# KiCad board q2v2.kicad_pcb (continued)
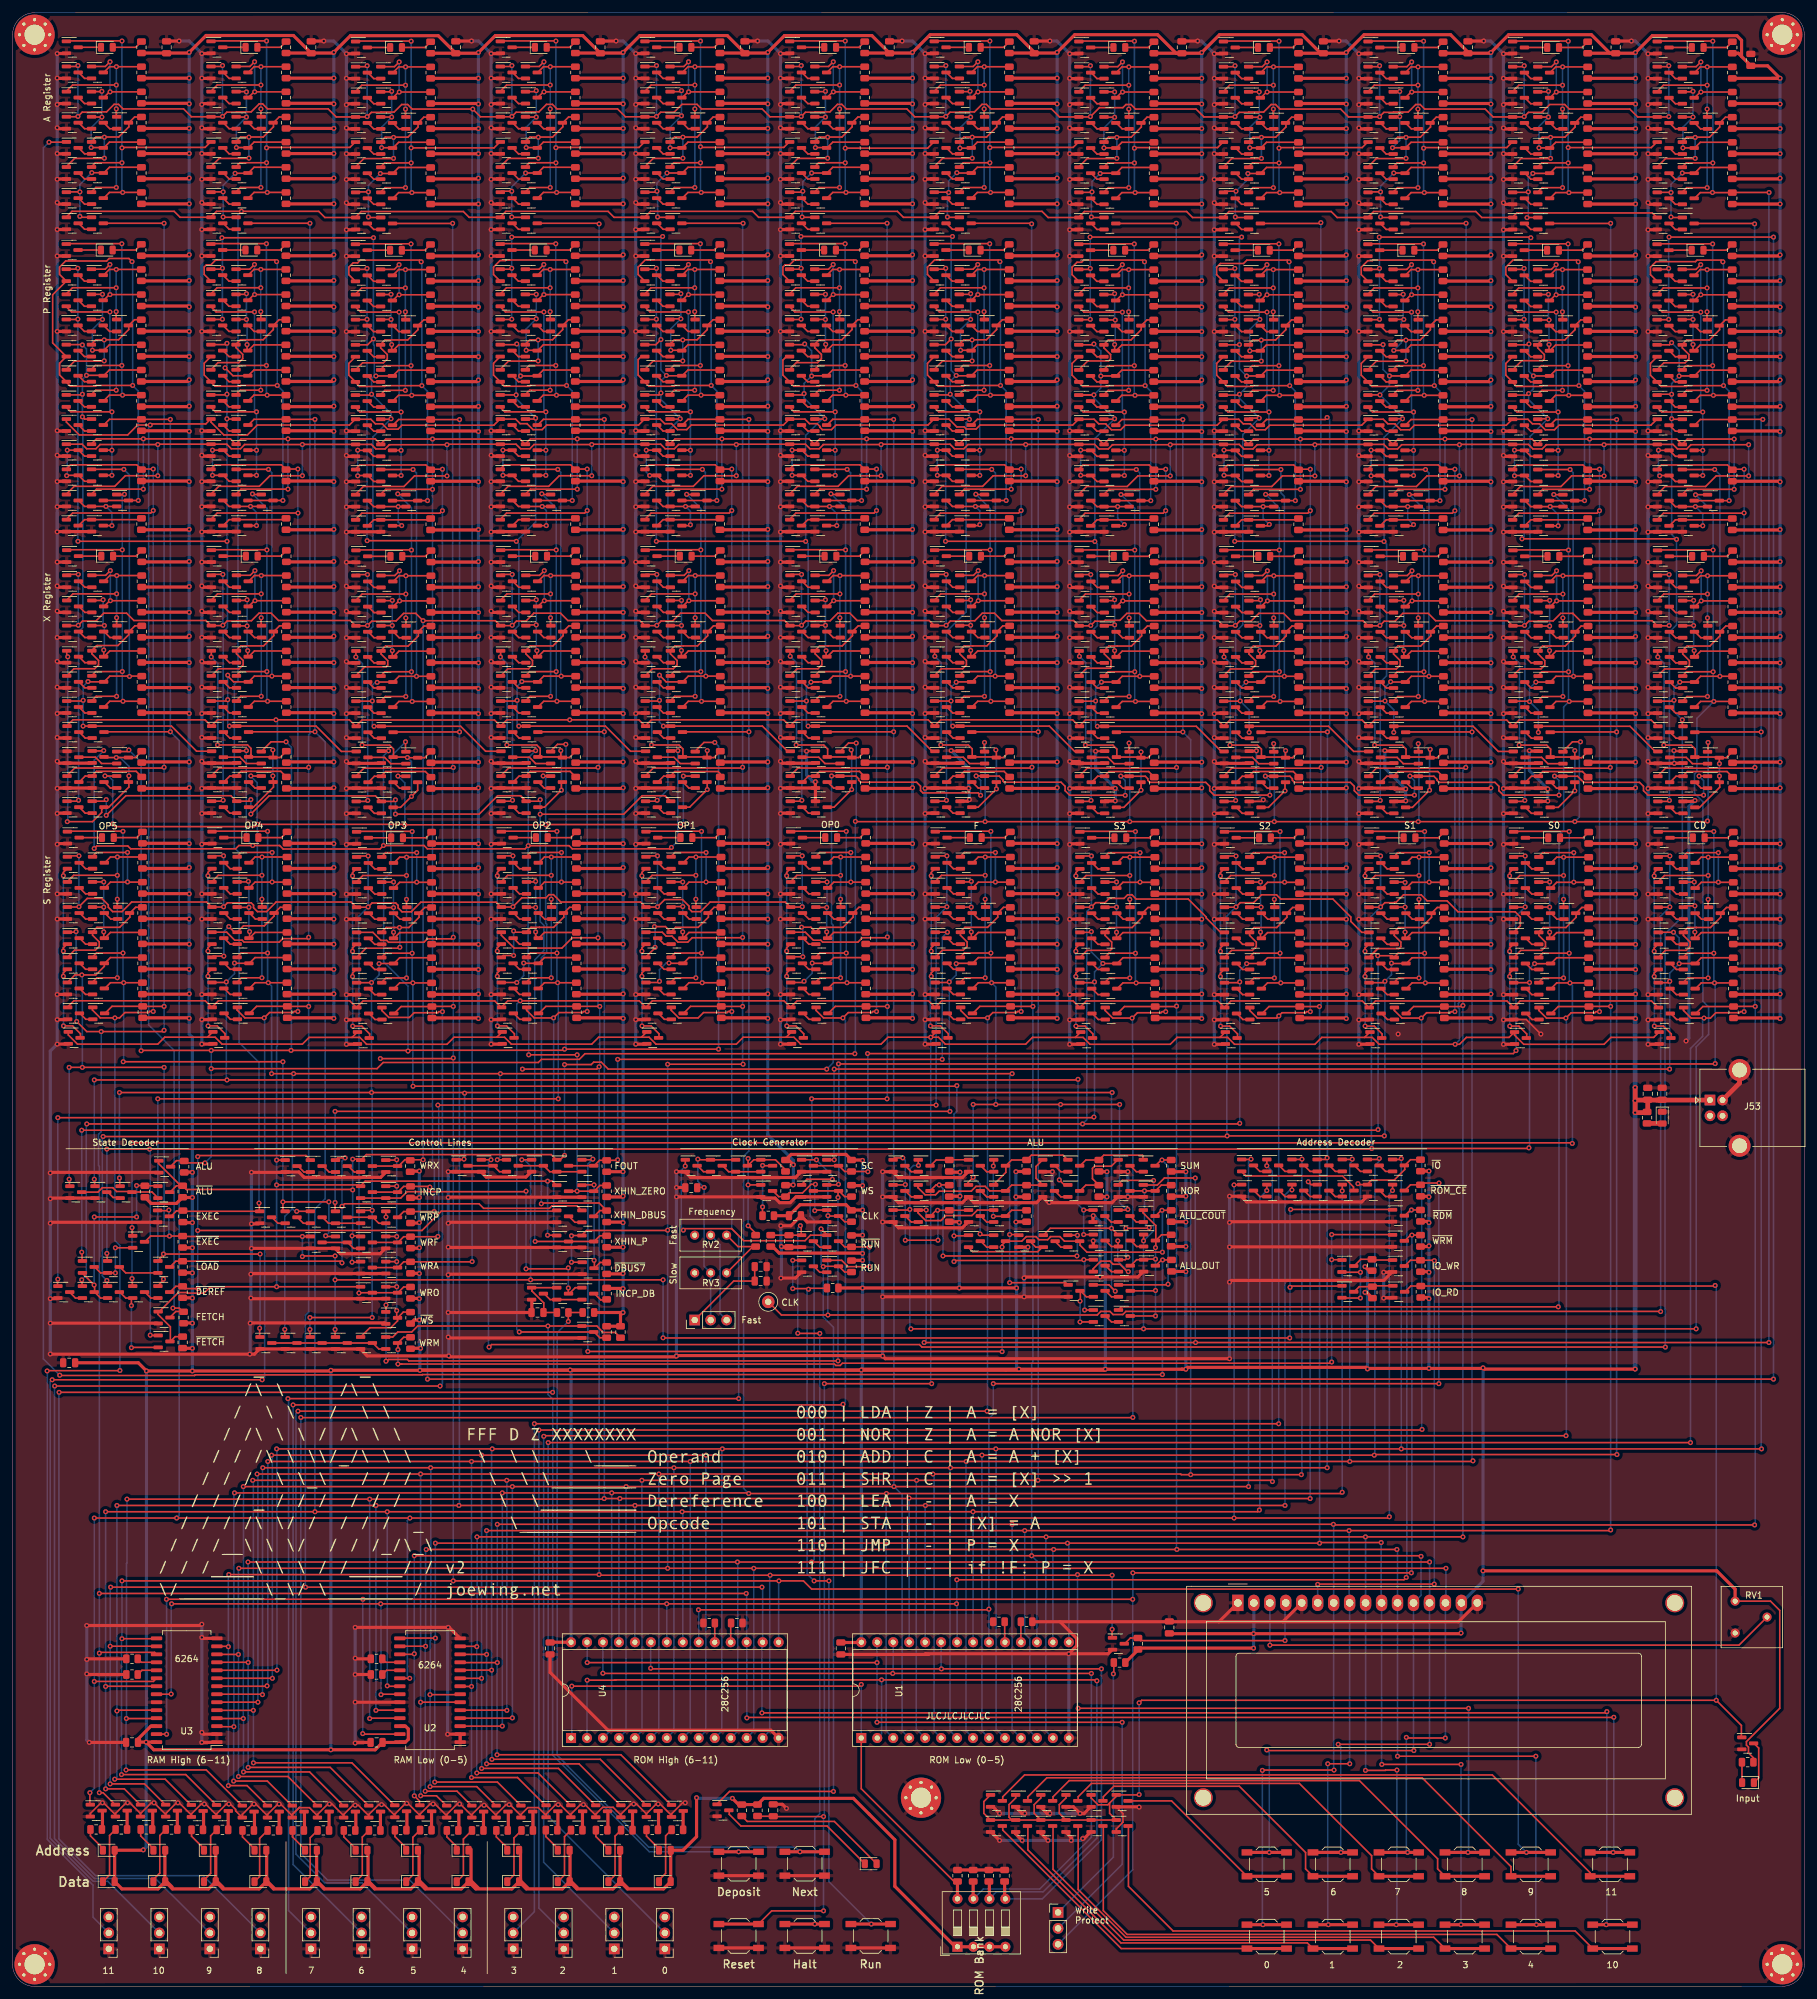
[diagram p0: board, top side]
## Routing (per net, layer and track width the routed paths; a pad name or vN(x,y) marks a point on that pad's centre or on a via; arc(x,y) is an arc through that point) (continued)
Net-(C24-Pad2): length 14.4
  Top w0.25: SW24.1 114.7,112.23 C26.2 C24.2
Net-(D1-Pad1): length 3.6
  Top w0.25: 10.5,308.53 D1.1
Net-(D1-Pad2): length 4.9
  Top w0.25: D1.2 19.59,308.53 R4.2
Net-(D2-Pad1): length 3.6
  Top w0.25: 10.55,227.57 D2.1
Net-(D2-Pad2): length 4.9
  Top w0.25: R11.2 19.64,227.57 D2.2
Net-(D3-Pad1): length 3.6
  Top w0.25: 10.48,276.27 D3.1
Net-(D3-Pad2): length 4.9
  Top w0.25: R20.2 19.57,276.27 D3.2
Net-(D4-Pad1): length 3.6
  Top w0.25: 10.66,182.79 D4.1
Net-(D4-Pad2): length 4.9
  Top w0.25: R29.2 19.75,182.79 D4.2
Net-(D5-Pad1): length 3.6
  Top w0.25: 33.5,308.53 D5.1
Net-(D5-Pad2): length 4.9
  Top w0.25: R40.2 42.59,308.53 D5.2
Net-(D6-Pad1): length 3.6
  Top w0.25: 33.55,227.57 D6.1
Net-(D6-Pad2): length 4.9
  Top w0.25: R49.2 42.64,227.57 D6.2
Net-(D7-Pad1): length 3.6
  Top w0.25: 33.48,276.27 D7.1
Net-(D7-Pad2): length 4.9
  Top w0.25: R58.2 42.57,276.27 D7.2
Net-(D8-Pad1): length 3.6
  Top w0.25: 33.66,182.79 D8.1
Net-(D8-Pad2): length 4.9
  Top w0.25: R65.2 42.75,182.79 D8.2
Net-(D9-Pad1): length 3.6
  Top w0.25: 56.5,308.5 D9.1
Net-(D9-Pad2): length 4.9
  Top w0.25: R127.2 65.59,308.5 D9.2
Net-(D10-Pad1): length 3.6
  Top w0.25: 56.55,227.54 D10.1
Net-(D10-Pad2): length 4.9
  Top w0.25: R136.2 65.64,227.54 D10.2
Net-(D11-Pad1): length 3.6
  Top w0.25: 56.48,276.24 D11.1
Net-(D11-Pad2): length 4.9
  Top w0.25: R145.2 65.57,276.24 D11.2
Net-(D12-Pad1): length 3.6
  Top w0.25: 56.66,182.76 D12.1
Net-(D12-Pad2): length 4.9
  Top w0.25: R152.2 65.75,182.76 D12.2
Net-(D13-Pad1): length 3.6
  Top w0.25: 79.53,308.52 D13.1
Net-(D13-Pad2): length 4.9
  Top w0.25: R161.2 88.61,308.52 D13.2
Net-(D14-Pad1): length 3.6
  Top w0.25: 79.57,227.56 D14.1
Net-(D14-Pad2): length 4.9
  Top w0.25: R170.2 88.66,227.56 D14.2
Net-(D15-Pad1): length 3.6
  Top w0.25: 79.5,276.27 D15.1
Net-(D15-Pad2): length 4.9
  Top w0.25: R179.2 88.59,276.27 D15.2
Net-(D16-Pad1): length 3.6
  Top w0.25: 79.69,182.78 D16.1
Net-(D16-Pad2): length 4.9
  Top w0.25: R186.2 88.77,182.78 D16.2
Net-(D17-Pad1): length 3.6
  Top w0.25: 102.53,308.52 D17.1
Net-(D17-Pad2): length 4.9
  Top w0.25: R195.2 111.61,308.52 D17.2
Net-(D18-Pad1): length 3.6
  Top w0.25: 102.57,227.56 D18.1
Net-(D18-Pad2): length 4.9
  Top w0.25: R204.2 111.66,227.56 D18.2
Net-(D19-Pad1): length 3.6
  Top w0.25: 102.5,276.27 D19.1
Net-(D19-Pad2): length 4.9
  Top w0.25: R213.2 111.59,276.27 D19.2
Net-(D20-Pad1): length 3.6
  Top w0.25: 102.69,182.78 D20.1
Net-(D20-Pad2): length 4.9
  Top w0.25: R220.2 111.77,182.78 D20.2
Net-(D21-Pad1): length 3.6
  Top w0.25: 125.55,308.52 D21.1
Net-(D21-Pad2): length 4.9
  Top w0.25: D21.2 134.64,308.52 R229.2
Net-(D22-Pad1): length 3.6
  Top w0.25: 125.6,227.56 D22.1
Net-(D22-Pad2): length 4.9
  Top w0.25: R238.2 134.69,227.56 D22.2
Net-(D23-Pad1): length 3.6
  Top w0.25: 125.53,276.27 D23.1
Net-(D23-Pad2): length 4.9
  Top w0.25: D23.2 134.62,276.27 R247.2
Net-(D24-Pad1): length 3.6
  Top w0.25: 125.71,182.78 D24.1
Net-(D24-Pad2): length 4.9
  Top w0.25: D24.2 134.8,182.78 R254.2
Net-(D25-Pad1): length 3.6
  Top w0.25: 148.55,308.52 D25.1
Net-(D25-Pad2): length 4.9
  Top w0.25: R263.2 157.64,308.52 D25.2
Net-(D26-Pad1): length 3.6
  Top w0.25: 148.6,227.56 D26.1
Net-(D26-Pad2): length 4.9
  Top w0.25: D26.2 157.69,227.56 R272.2
Net-(D27-Pad1): length 3.6
  Top w0.25: 148.53,276.27 D27.1
Net-(D27-Pad2): length 4.9
  Top w0.25: D27.2 157.62,276.27 R281.2
Net-(D28-Pad1): length 3.6
  Top w0.25: 148.71,182.78 D28.1
Net-(D28-Pad2): length 4.9
  Top w0.25: R288.2 157.8,182.78 D28.2
Net-(D29-Pad1): length 3.6
  Top w0.25: 171.55,308.5 D29.1
Net-(D29-Pad2): length 4.9
  Top w0.25: R297.2 180.64,308.5 D29.2
Net-(D30-Pad1): length 3.6
  Top w0.25: 171.6,227.54 D30.1
Net-(D30-Pad2): length 4.9
  Top w0.25: D30.2 180.69,227.54 R306.2
Net-(D31-Pad1): length 3.6
  Top w0.25: 171.53,276.24 D31.1
Net-(D31-Pad2): length 4.9
  Top w0.25: R315.2 180.62,276.24 D31.2
Net-(D32-Pad1): length 3.6
  Top w0.25: 171.71,182.76 D32.1
Net-(D32-Pad2): length 4.9
  Top w0.25: D32.2 180.8,182.76 R322.2
Net-(D33-Pad1): length 3.6
  Top w0.25: 194.55,308.5 D33.1
Net-(D33-Pad2): length 4.9
  Top w0.25: D33.2 203.64,308.5 R331.2
Net-(D34-Pad1): length 3.6
  Top w0.25: 194.6,227.54 D34.1
Net-(D34-Pad2): length 4.9
  Top w0.25: D34.2 203.69,227.54 R340.2
Net-(D35-Pad1): length 3.6
  Top w0.25: 194.53,276.24 D35.1
Net-(D35-Pad2): length 4.9
  Top w0.25: R349.2 203.62,276.24 D35.2
Net-(D36-Pad1): length 3.6
  Top w0.25: 194.71,182.76 D36.1
Net-(D36-Pad2): length 4.9
  Top w0.25: D36.2 203.8,182.76 R356.2
Net-(D37-Pad1): length 3.6
  Top w0.25: 217.55,308.5 D37.1
Net-(D37-Pad2): length 4.9
  Top w0.25: D37.2 226.64,308.5 R365.2
Net-(D38-Pad1): length 3.6
  Top w0.25: 217.6,227.54 D38.1
Net-(D38-Pad2): length 4.9
  Top w0.25: D38.2 226.69,227.54 R374.2
Net-(D39-Pad1): length 3.6
  Top w0.25: 217.53,276.24 D39.1
Net-(D39-Pad2): length 4.9
  Top w0.25: D39.2 226.62,276.24 R383.2
Net-(D40-Pad1): length 3.6
  Top w0.25: 217.71,182.76 D40.1
Net-(D40-Pad2): length 4.9
  Top w0.25: D40.2 226.8,182.76 R390.2
Net-(D41-Pad1): length 3.6
  Top w0.25: 240.55,308.5 D41.1
Net-(D41-Pad2): length 4.9
  Top w0.25: D41.2 249.64,308.5 R399.2
Net-(D42-Pad1): length 3.6
  Top w0.25: 240.6,227.54 D42.1
Net-(D42-Pad2): length 4.9
  Top w0.25: R408.2 249.69,227.54 D42.2
Net-(D43-Pad1): length 3.6
  Top w0.25: 240.53,276.24 D43.1
Net-(D43-Pad2): length 4.9
  Top w0.25: D43.2 249.62,276.24 R417.2
Net-(D44-Pad1): length 3.6
  Top w0.25: 240.71,182.76 D44.1
Net-(D44-Pad2): length 4.9
  Top w0.25: D44.2 249.8,182.76 R424.2
Net-(D45-Pad1): length 3.6
  Top w0.25: 263.55,308.5 D45.1
Net-(D45-Pad2): length 4.9
  Top w0.25: R433.2 272.64,308.5 D45.2
Net-(D46-Pad1): length 3.6
  Top w0.25: 263.6,227.54 D46.1
Net-(D46-Pad2): length 4.9
  Top w0.25: R442.2 272.69,227.54 D46.2
Net-(D47-Pad1): length 3.6
  Top w0.25: 263.53,276.24 D47.1
Net-(D47-Pad2): length 4.9
  Top w0.25: D47.2 272.62,276.24 R451.2
Net-(D48-Pad1): length 3.6
  Top w0.25: 263.71,182.76 D48.1
Net-(D48-Pad2): length 4.9
  Top w0.25: R458.2 272.8,182.76 D48.2
Net-(D49-Pad1): length 3.8
  Top w0.25: R466.1 12.39,23.95 14.36,21.98
Net-(D50-Pad1): length 9.1
  Top w0.25: D50.1 15.42,17.73 15.42,24.01 R468.1
Net-(D51-Pad1): length 3.8
  Top w0.25: R474.1 20.38,23.95 22.35,21.97
Net-(D52-Pad1): length 8.8
  Top w0.25: 22.35,16.97 23.41,18.03 23.41,24.01 R475.1
Net-(D53-Pad1): length 3.8
  Top w0.25: 30.44,21.92 28.47,23.9 R479.1
Net-(D54-Pad1): length 8.8
  Top w0.25: R480.1 31.5,23.96 31.5,17.98 30.44,16.92
Net-(D55-Pad1): length 3.8
  Top w0.25: 38.54,21.82 36.57,23.8 R482.1
Net-(D56-Pad1): length 9
  Top w0.25: D56.1 39.3,17.48 39.3,23.55 R483.1
Net-(D57-Pad1): length 3.8
  Top w0.25: R484.1 44.52,23.8 46.49,21.82
Net-(D58-Pad1): length 9
  Top w0.25: R485.1 47.34,23.64 47.34,17.48 D58.1
Net-(D59-Pad1): length 3.8
  Top w0.25: R486.1 52.69,23.8 54.66,21.82
Net-(D60-Pad1): length 9
  Top w0.25: R487.1 55.63,23.76 55.63,17.73 D60.1
Net-(D61-Pad1): length 3.8
  Top w0.25: 62.79,21.87 60.82,23.85 R488.1
Net-(D62-Pad1): length 9.1
  Top w0.25: D62.1 63.67,17.73 63.67,23.72 R489.1
Net-(D63-Pad1): length 3.8
  Top w0.25: 71.05,21.82 69.08,23.8 R490.1
Net-(D64-Pad1): length 9.2
  Top w0.25: R491.1 71.71,23.45 71.71,17.73 D64.1
Net-(D65-Pad1): length 3.8
  Top w0.25: 78.92,21.82 76.95,23.8 R492.1
Net-(D66-Pad1): length 9.1
  Top w0.25: R493.1 79.75,23.62 79.75,17.73 D66.1
Net-(D67-Pad1): length 3.8
  Top w0.25: 86.8,21.87 84.83,23.85 R494.1
Net-(D68-Pad1): length 9.1
  Top w0.25: D68.1 87.79,17.73 87.79,23.84 R495.1
Net-(D69-Pad1): length 3.8
  Top w0.25: 94.76,21.87 92.79,23.85 R496.1
Net-(D70-Pad1): length 9
  Top w0.25: R497.1 95.83,23.92 95.83,17.73 D70.1
Net-(D71-Pad1): length 3.8
  Top w0.25: 102.81,21.92 100.84,23.9 R498.1
Net-(D72-Pad1): length 8.8
  Top w0.25: R499.1 103.87,23.96 103.87,17.98 102.81,16.92
Net-(D73-Pad2): length 2.4
  Top w0.75: R111.2 262.38,137.31
Net-(D74-Pad1): length 6.9
  Top w0.25: 277,38.68 277.75,37.93 277.75,33.19 D74.1
Net-(D74-Pad2): length 3.2
  Top w0.25: R112.2 275.09,32.45
Net-(D75-Pad1): length 25.5
  Top w0.25: 114,28.03 114,27.38 115.85,25.53 129.56,25.53 D75.1
Net-(D75-Pad2): length 24.6
  Top w0.25: D75.2 130.71,26.25 116.86,26.25 R500.2
Net-(DS1-Pad3): length 87.6
  Top w0.25: v1(200,54.3) 274.62,54.3 RV1.2
  Bottom w0.25: v1(200,54.3) 200,61.01
Net-(Q2-Pad2): length 2.4
  Top w0.25: 12.7,153.88 11.65,153.88 10.7,154.83
Net-(Q5-Pad2): length 2.4
  Top w0.25: 12.5,279.58 11.45,279.58 10.5,280.53
Net-(Q7-Pad2): length 2.4
  Top w0.25: 12.5,283.58 11.45,283.58 10.5,284.53
Net-(Q10-Pad1): length 39.6
  Top w0.25: 14.5,304.53 15.41,305.44 v1(16.51,305.44) R8.2 ; 12.5,285.48 13.25,286.23 v1(16.5,286.23) ; v1(16.5,298.73) 16.5,297.48 ; v1(16.5,302.53) 9.55,302.53 8.5,301.48
  Bottom w0.25: v1(16.51,305.44) 16.5,305.43 v1(16.5,302.53) v1(16.5,298.73) v1(16.5,286.23)
Net-(Q10-Pad3): length 2.4
  Top w0.25: 10.5,300.53 11.45,299.58 12.5,299.58
Net-(Q11-Pad2): length 2.4
  Top w0.25: 10.5,288.53 11.45,287.58 12.5,287.58
Net-(Q12-Pad1): length 14.5
  Top w0.25: 12.5,305.48 14.75,305.48 v1(15.5,306.23) ; 14.5,300.53 15.41,301.44 v1(15.51,301.44) R6.2
  Bottom w0.25: v1(15.51,301.44) 15.5,301.45 v1(15.5,306.23)
Net-(Q12-Pad2): length 2.4
  Top w0.25: 10.5,304.53 11.45,303.58 12.5,303.58
Net-(Q13-Pad1): length 20.1
  Top w0.25: 8.5,289.48 9.87,290.85 14.56,290.85 v1(14.6,290.89) ; R9.2 19.41,297.44 18.5,296.53 18.5,295.88 16.88,294.25 14.63,294.25 ; 14.63,294.25 v1(14.6,294.23) ; 14.63,294.25 13.28,294.25 12.5,293.48
  Bottom w0.25: v1(14.6,294.23) v1(14.6,290.89)
Net-(Q15-Pad2): length 2.4
  Top w0.25: 16.5,295.58 15.45,295.58 14.5,296.53
Net-(Q16-Pad1): length 21.2
  Top w0.25: v1(12.5,292.58) 14.39,292.58 ; R10.2 15.41,293.44 14.5,292.53 ; Q8.1 14.15,301.48 v1(14.2,301.53) ; v1(14.2,297.43) 12.61,297.43
  Bottom w0.25: v1(14.2,301.53) v1(14.2,297.43) 12.5,295.73 v1(12.5,292.58)
Net-(Q16-Pad2): length 2.4
  Top w0.25: 10.5,296.53 11.45,295.58 12.5,295.58
Net-(Q18-Pad2): length 2.4
  Top w0.25: 10.5,292.53 11.45,291.58 12.5,291.58
Net-(Q21-Pad2): length 2.3
  Top w0.25: 16.5,190.68 15.55,190.68 14.6,191.63
Net-(Q22-Pad2): length 2.4
  Top w0.25: 10.6,199.58 11.55,198.63 12.6,198.63
Net-(Q23-Pad2): length 2.4
  Top w0.25: 10.6,187.63 11.55,186.68 12.6,186.68
Net-(Q24-Pad2): length 6.4
  Top w0.25: 14.17,194.58 13.17,195.58 10.6,195.58 ; 14.14,194.58 16.5,194.58
Net-(Q26-Pad1): length 11
  Top w0.25: 10.6,191.63 11.55,192.58 12.6,192.58 13.35,193.32 19.66,193.32 R13.2
Net-(Q31-Pad1): length 39.6
  Top w0.25: 14.55,223.57 15.46,224.48 v1(16.56,224.48) R17.2 ; v1(16.55,205.27) 13.3,205.27 12.55,204.52 ; v1(16.55,217.77) 16.55,216.52 ; 8.55,220.52 9.6,221.57 v1(16.55,221.57)
  Bottom w0.25: v1(16.55,205.27) v1(16.55,217.77) v1(16.55,221.57) 16.55,224.47 v1(16.56,224.48)
Net-(Q31-Pad2): length 2.4
  Top w0.25: 10.55,203.57 11.5,202.62 12.55,202.62
Net-(Q32-Pad1): length 19.4
  Top w0.25: 14.55,211.57 15.46,212.48 R19.2 ; Q32.1 14.29,220.52 v1(14.4,220.63) ; v1(14.5,212.63) 14.5,211.58 ; v1(14.6,216.53) 12.62,216.53
  Bottom w0.25: v1(14.4,220.63) 14.4,216.73 v1(14.6,216.53) 14.6,212.73 v1(14.5,212.63)
Net-(Q32-Pad2): length 2.4
  Top w0.25: 10.55,219.57 11.5,218.62 12.55,218.62
Net-(Q32-Pad3): length 14.5
  Top w0.25: 14.55,219.57 15.46,220.48 v1(15.56,220.48) R15.2 ; v1(15.55,225.27) 14.8,224.52 12.55,224.52
  Bottom w0.25: v1(15.55,225.27) 15.55,220.49 v1(15.56,220.48)
Net-(Q35-Pad2): length 2.4
  Top w0.25: 10.55,207.57 11.5,206.62 12.55,206.62
Net-(Q36-Pad2): length 2.4
  Top w0.25: 10.55,223.57 11.5,222.62 12.55,222.62
Net-(Q37-Pad1): length 19.4
  Top w0.25: 18.55,215.57 19.46,216.48 R18.2 ; 13.33,213.29 12.55,212.52 ; Q39.3 18.49,215.08 16.76,213.35 13.45,213.35 Q42.1 12.61,212.03 13.68,210.97 13.68,210.27 13.06,209.65 9.75,209.65 Q37.1
Net-(Q39-Pad2): length 2.4
  Top w0.25: 14.55,215.57 15.5,214.62 16.55,214.62
Net-(Q40-Pad2): length 2.4
  Top w0.25: 10.55,215.57 11.5,214.62 12.55,214.62
Net-(Q42-Pad2): length 2.4
  Top w0.25: 10.55,211.57 11.5,210.62 12.55,210.62
Net-(Q45-Pad2): length 2.4
  Top w0.25: 12.5,247.48 11.45,247.48 10.5,248.43
Net-(Q47-Pad2): length 12.5
  Top w0.25: 10.5,240.43 11.45,239.48 12.5,239.48 ; 12.5,243.48 11.45,243.48 10.5,244.43 ; v1(8.6,240.38) 8.65,240.43 Q52.3 ; Q51.3 v1(8.7,244.43)
  Bottom w0.25: v1(8.6,240.38) 8.7,240.48 v1(8.7,244.43)
Net-(Q49-Pad2): length 11.1
  Top w0.25: 16.5,235.48 v1(14.85,235.48) 11.45,235.48 10.5,236.43 ; 14.5,232.43 v1(15.8,232.43)
  Bottom w0.25: v1(15.8,232.43) 15.8,234.53 v1(14.85,235.48)
Net-(Q54-Pad1): length 10.2
  Top w0.25: 10.5,232.43 11.45,233.38 20.29,233.38
Net-(Q56-Pad1): length 39.6
  Top w0.25: 14.48,272.27 15.39,273.18 v1(16.49,273.18) R26.2 ; v1(16.48,253.97) 13.23,253.97 12.48,253.22 ; v1(16.48,266.47) 16.48,265.22 ; 8.48,269.22 9.53,270.27 v1(16.48,270.27)
  Bottom w0.25: v1(16.48,253.97) v1(16.48,266.47) v1(16.48,270.27) 16.48,273.17 v1(16.49,273.18)
Net-(Q56-Pad2): length 2.4
  Top w0.25: 10.48,252.27 11.43,251.32 12.48,251.32
Net-(Q57-Pad1): length 21.1
  Top w0.25: 14.48,260.27 15.39,261.18 R28.2 ; v1(14.3,269.23) 14.3,269.22 Q57.1 ; v1(14.3,265.23) 12.55,265.23 ; v1(12.7,260.32) 14.37,260.32
  Bottom w0.25: v1(12.7,260.32) 12.7,263.63 v1(14.3,265.23) v1(14.3,269.23)
Net-(Q57-Pad2): length 2.4
  Top w0.25: 10.48,268.27 11.43,267.32 12.48,267.32
Net-(Q57-Pad3): length 14.5
  Top w0.25: 14.48,268.27 15.39,269.18 v1(15.49,269.18) R24.2 ; v1(15.48,273.97) 14.73,273.22 12.48,273.22
  Bottom w0.25: v1(15.48,273.97) 15.48,269.2 v1(15.49,269.18)
Net-(Q60-Pad2): length 2.4
  Top w0.25: 10.48,256.27 11.43,255.32 12.48,255.32
Net-(Q61-Pad2): length 2.4
  Top w0.25: 10.48,272.27 11.43,271.32 12.48,271.32
Net-(Q62-Pad1): length 20.1
  Top w0.25: R27.2 19.39,265.18 18.48,264.27 18.48,263.62 16.86,262 14.61,262 ; 12.48,261.22 13.26,262 14.61,262 ; 14.61,262 v1(14.58,261.97) ; 8.48,257.22 9.85,258.6 14.54,258.6 v1(14.58,258.63)
  Bottom w0.25: v1(14.58,261.97) v1(14.58,258.63)
Net-(Q64-Pad2): length 2.4
  Top w0.25: 14.48,264.27 15.43,263.32 16.48,263.32
Net-(Q65-Pad2): length 2.4
  Top w0.25: 10.48,264.27 11.43,263.32 12.48,263.32
Net-(Q67-Pad2): length 2.4
  Top w0.25: 10.48,260.27 11.43,259.32 12.48,259.32
Net-(Q72-Pad1): length 39.6
  Top w0.25: 14.66,178.79 15.57,179.7 v1(16.67,179.7) R33.2 ; v1(16.66,160.49) 13.41,160.49 12.66,159.74 ; v1(16.66,172.99) 16.66,171.74 ; 8.66,175.74 9.71,176.79 v1(16.66,176.79)
  Bottom w0.25: v1(16.66,160.49) v1(16.66,172.99) v1(16.66,176.79) 16.66,179.69 v1(16.67,179.7)
Net-(Q72-Pad2): length 2.4
  Top w0.25: 10.66,158.79 11.61,157.84 12.66,157.84
Net-(Q73-Pad1): length 18.8
  Top w0.25: 14.66,166.79 15.57,167.7 R35.2 ; v1(14.5,171.73) 12.73,171.73 ; v1(14.5,175.73) 14.49,175.74 Q73.1 ; v1(14.5,167.79) 14.5,166.88
  Bottom w0.25: v1(14.5,175.73) v1(14.5,171.73) v1(14.5,167.79)
Net-(Q73-Pad2): length 2.4
  Top w0.25: 10.66,174.79 11.61,173.84 12.66,173.84
Net-(Q73-Pad3): length 17.1
  Top w0.25: 18.23,175.7 15.57,175.7 14.66,174.79 ; 18.23,175.7 18.25,175.73 v1(18.29,175.73) 18.27,175.71 18.27,175.7 ; 18.23,175.7 18.27,175.7 ; v1(18.29,180.42) 13.35,180.42 12.66,179.74 ; 18.27,175.7 R31.2
  Bottom w0.25: v1(18.29,175.73) v1(18.29,180.42)
Net-(Q76-Pad2): length 2.4
  Top w0.25: 10.66,162.79 11.61,161.84 12.66,161.84
Net-(Q77-Pad2): length 2.4
  Top w0.25: 10.66,178.79 11.61,177.84 12.66,177.84
Net-(Q78-Pad1): length 18.5
  Top w0.25: R34.2 19.57,171.7 18.66,170.79 18.66,170.14 17.04,168.51 13.44,168.51 12.66,167.74 ; Q83.1 12.72,167.25 13.79,166.19 13.79,165.49 13.17,164.87 9.86,164.87 Q78.1
Net-(Q80-Pad2): length 2.4
  Top w0.25: 14.66,170.79 15.61,169.84 16.66,169.84
Net-(Q81-Pad2): length 2.4
  Top w0.25: 10.66,170.79 11.61,169.84 12.66,169.84
Net-(Q83-Pad2): length 2.4
  Top w0.25: 10.66,166.79 11.61,165.84 12.66,165.84
Net-(Q85-Pad2): length 2.4
  Top w0.25: 33.7,154.83 34.65,153.88 35.7,153.88
Net-(Q87-Pad2): length 2.4
  Top w0.25: 33.5,280.53 34.45,279.58 35.5,279.58
Net-(Q89-Pad1): length 39.6
  Top w0.25: 37.5,304.53 38.41,305.44 v1(39.51,305.44) R42.2 ; v1(39.5,286.23) 36.25,286.23 35.5,285.48 ; v1(39.5,298.73) 39.5,297.48 ; 31.5,301.48 32.55,302.53 v1(39.5,302.53)
  Bottom w0.25: v1(39.5,286.23) v1(39.5,298.73) v1(39.5,302.53) 39.5,305.43 v1(39.51,305.44)
Net-(Q89-Pad2): length 2.4
  Top w0.25: 33.5,284.53 34.45,283.58 35.5,283.58
Net-(Q90-Pad2): length 2.4
  Top w0.25: 33.5,300.53 34.45,299.58 35.5,299.58
Net-(Q90-Pad3): length 14.5
  Top w0.25: 37.5,300.53 38.41,301.44 v1(38.51,301.44) R39.2 ; v1(38.5,306.23) 37.75,305.48 35.5,305.48
  Bottom w0.25: v1(38.5,306.23) 38.5,301.45 v1(38.51,301.44)
Net-(Q94-Pad2): length 2.4
  Top w0.25: 33.5,288.53 34.45,287.58 35.5,287.58
Net-(Q95-Pad2): length 2.4
  Top w0.25: 33.5,304.53 34.45,303.58 35.5,303.58
Net-(Q98-Pad2): length 2.4
  Top w0.25: 37.5,296.53 38.45,295.58 39.5,295.58
Net-(Q100-Pad3): length 2.4
  Top w0.25: 33.5,296.53 34.45,295.58 35.5,295.58
Net-(Q101-Pad1): length 20.1
  Top w0.25: R43.2 42.41,297.44 41.5,296.53 41.5,295.88 39.88,294.25 37.63,294.25 ; 35.5,293.48 36.28,294.25 37.63,294.25 ; 37.63,294.25 v1(37.6,294.23) ; 31.5,289.48 32.87,290.85 37.56,290.85 v1(37.6,290.89)
  Bottom w0.25: v1(37.6,294.23) v1(37.6,290.89)
Net-(Q101-Pad2): length 2.4
  Top w0.25: 33.5,292.53 34.45,291.58 35.5,291.58
Net-(Q101-Pad3): length 20.9
  Top w0.25: 37.5,292.53 38.41,293.44 R44.2 ; v1(35.6,292.58) 37.39,292.58 ; v1(37.2,301.43) 37.15,301.48 Q90.1 ; v1(37.2,297.43) 35.61,297.43
  Bottom w0.25: v1(35.6,292.58) 35.6,295.83 v1(37.2,297.43) v1(37.2,301.43)
Net-(Q103-Pad2): length 2.3
  Top w0.25: 37.6,191.63 38.55,190.68 39.5,190.68
Net-(Q104-Pad2): length 2.4
  Top w0.25: 33.6,199.58 34.55,198.63 35.6,198.63
Net-(Q105-Pad2): length 2.4
  Top w0.25: 33.6,187.63 34.55,186.68 35.6,186.68
Net-(Q106-Pad2): length 6.4
  Top w0.25: 37.17,194.58 36.17,195.58 33.6,195.58 ; 37.14,194.58 39.5,194.58
Net-(Q108-Pad1): length 11
  Top w0.25: R46.2 42.66,193.32 36.35,193.32 35.6,192.58 34.55,192.58 33.6,191.63
Net-(Q113-Pad1): length 39.6
  Top w0.25: 37.55,223.57 38.46,224.48 v1(39.56,224.48) R51.2 ; v1(39.55,205.27) 36.3,205.27 35.55,204.52 ; v1(39.55,217.77) 39.55,216.52 ; 31.55,220.52 32.6,221.57 v1(39.55,221.57)
  Bottom w0.25: v1(39.55,205.27) v1(39.55,217.77) v1(39.55,221.57) 39.55,224.47 v1(39.56,224.48)
Net-(Q113-Pad2): length 2.4
  Top w0.25: 33.55,203.57 34.5,202.62 35.55,202.62
Net-(Q114-Pad1): length 18.8
  Top w0.25: 37.55,211.57 38.46,212.48 R53.2 ; v1(37.4,212.53) 37.4,211.65 ; v1(37.3,220.63) 37.19,220.52 Q114.1 ; v1(37.3,216.47) 35.66,216.47
  Bottom w0.25: v1(37.3,220.63) v1(37.3,216.47) 37.3,212.63 v1(37.4,212.53)
Net-(Q114-Pad2): length 2.4
  Top w0.25: 33.55,219.57 34.5,218.62 35.55,218.62
Net-(Q114-Pad3): length 14.5
  Top w0.25: 37.55,219.57 38.46,220.48 v1(38.56,220.48) R48.2 ; v1(38.55,225.27) 37.8,224.52 35.55,224.52
  Bottom w0.25: v1(38.55,225.27) 38.55,220.49 v1(38.56,220.48)
Net-(Q118-Pad2): length 2.4
  Top w0.25: 33.55,207.57 34.5,206.62 35.55,206.62
Net-(Q119-Pad2): length 2.4
  Top w0.25: 33.55,223.57 34.5,222.62 35.55,222.62
Net-(Q120-Pad1): length 18.5
  Top w0.25: R52.2 42.46,216.48 41.55,215.57 41.55,214.92 39.92,213.29 36.33,213.29 35.55,212.52 ; Q120.1 32.75,209.65 36.06,209.65 36.68,210.27 36.68,210.97 35.61,212.03 Q125.1
Net-(Q122-Pad2): length 2.4
  Top w0.25: 37.55,215.57 38.5,214.62 39.55,214.62
Net-(Q123-Pad2): length 2.4
  Top w0.25: 33.55,215.57 34.5,214.62 35.55,214.62
Net-(Q125-Pad2): length 2.4
  Top w0.25: 33.55,211.57 34.5,210.62 35.55,210.62
Net-(Q127-Pad2): length 2.4
  Top w0.25: 33.5,248.43 34.45,247.48 35.5,247.48
Net-(Q129-Pad2): length 12.1
  Top w0.25: 33.5,244.43 34.45,243.48 35.5,243.48 ; 33.5,240.43 34.45,239.48 35.5,239.48 ; Q134.3 v1(31.8,240.43) ; Q133.3 v1(31.8,244.43)
  Bottom w0.25: v1(31.8,244.43) v1(31.8,240.43)
Net-(Q131-Pad2): length 11.1
  Top w0.25: 33.5,236.43 34.45,235.48 v1(37.85,235.48) 39.5,235.48 ; 37.5,232.43 v1(38.8,232.43)
  Bottom w0.25: v1(37.85,235.48) 38.8,234.53 v1(38.8,232.43)
Net-(Q136-Pad1): length 10.2
  Top w0.25: 33.5,232.43 34.45,233.38 43.29,233.38
Net-(Q138-Pad1): length 39.6
  Top w0.25: 37.48,272.27 38.39,273.18 v1(39.49,273.18) R60.2 ; v1(39.48,253.97) 36.23,253.97 35.48,253.22 ; v1(39.48,266.47) 39.48,265.22 ; 31.48,269.22 32.53,270.27 v1(39.48,270.27)
  Bottom w0.25: v1(39.48,253.97) v1(39.48,266.47) v1(39.48,270.27) 39.48,273.17 v1(39.49,273.18)
Net-(Q138-Pad2): length 2.4
  Top w0.25: 33.48,252.27 34.43,251.32 35.48,251.32
Net-(Q139-Pad1): length 18.7
  Top w0.25: 37.48,260.27 38.39,261.18 R62.2 ; v1(37.2,265.23) 35.55,265.23 ; v1(37.3,261.23) 37.3,260.39 ; v1(37.2,269.33) 37.09,269.22 Q139.1
  Bottom w0.25: v1(37.3,261.23) 37.3,265.13 v1(37.2,265.23) v1(37.2,269.33)
Net-(Q139-Pad2): length 2.4
  Top w0.25: 33.48,268.27 34.43,267.32 35.48,267.32
Net-(Q139-Pad3): length 14.5
  Top w0.25: 37.48,268.27 38.39,269.18 v1(38.49,269.18) R57.2 ; v1(38.48,273.97) 37.73,273.22 35.48,273.22
  Bottom w0.25: v1(38.48,273.97) 38.48,269.2 v1(38.49,269.18)
Net-(Q143-Pad2): length 2.4
  Top w0.25: 33.48,256.27 34.43,255.32 35.48,255.32
Net-(Q144-Pad2): length 2.4
  Top w0.25: 33.48,272.27 34.43,271.32 35.48,271.32
Net-(Q145-Pad1): length 18.5
  Top w0.25: R61.2 42.39,265.18 41.48,264.27 41.48,263.62 39.86,262 37.61,262 ; 35.48,261.22 36.26,262 37.61,262 ; 37.61,262 37.58,261.97 ; Q145.1 32.68,258.36 35.99,258.36 36.61,258.97 36.61,259.67 35.54,260.74 Q150.1
Net-(Q147-Pad2): length 2.4
  Top w0.25: 37.48,264.27 38.43,263.32 39.48,263.32
Net-(Q148-Pad2): length 2.4
  Top w0.25: 33.48,264.27 34.43,263.32 35.48,263.32
Net-(Q150-Pad2): length 2.4
  Top w0.25: 33.48,260.27 34.43,259.32 35.48,259.32
Net-(Q154-Pad1): length 39.6
  Top w0.25: 37.66,178.79 38.57,179.7 v1(39.67,179.7) R67.2 ; v1(39.66,160.49) 36.41,160.49 35.66,159.74 ; v1(39.66,172.99) 39.66,171.74 ; 31.66,175.74 32.71,176.79 v1(39.66,176.79)
  Bottom w0.25: v1(39.66,160.49) v1(39.66,172.99) v1(39.66,176.79) 39.66,179.69 v1(39.67,179.7)
Net-(Q154-Pad2): length 2.4
  Top w0.25: 33.66,158.79 34.61,157.84 35.66,157.84
Net-(Q155-Pad1): length 19
  Top w0.25: 37.66,166.79 38.57,167.7 R69.2 ; v1(37.7,167.83) 37.7,166.89 ; v1(37.6,171.69) 35.77,171.69 ; v1(37.5,175.83) 37.41,175.74 Q155.1
  Bottom w0.25: v1(37.7,167.83) 37.6,167.93 v1(37.6,171.69) 37.6,175.73 v1(37.5,175.83)
Net-(Q155-Pad2): length 2.4
  Top w0.25: 33.66,174.79 34.61,173.84 35.66,173.84
Net-(Q155-Pad3): length 17.1
  Top w0.25: 37.66,174.79 38.57,175.7 41.23,175.7 ; 41.27,175.7 41.27,175.71 v1(41.29,175.73) 41.25,175.73 41.23,175.7 ; 41.27,175.7 R64.2 ; 41.27,175.7 41.23,175.7 ; 35.66,179.74 36.35,180.42 v1(41.29,180.42)
  Bottom w0.25: v1(41.29,175.73) v1(41.29,180.42)
Net-(Q159-Pad2): length 2.4
  Top w0.25: 33.66,162.79 34.61,161.84 35.66,161.84
Net-(Q160-Pad2): length 2.4
  Top w0.25: 33.66,178.79 34.61,177.84 35.66,177.84
Net-(Q161-Pad1): length 18
  Top w0.25: 41.66,170.79 42.57,171.7 R68.2 ; 35.29,167.74 v1(34.4,168.63) ; Q166.1 36.74,168.75 40.05,168.75 41.6,170.3 Q163.3 ; Q161.1 31.91,163.93 v1(33.6,163.93)
  Bottom w0.25: v1(34.4,168.63) 33.6,167.83 v1(33.6,163.93)
Net-(Q163-Pad2): length 2.4
  Top w0.25: 37.66,170.79 38.61,169.84 39.66,169.84
Net-(Q164-Pad2): length 2.4
  Top w0.25: 33.66,170.79 34.61,169.84 35.66,169.84
Net-(Q166-Pad2): length 2.4
  Top w0.25: 33.66,166.79 34.61,165.84 35.66,165.84
Net-(Q168-Pad2): length 2.4
  Top w0.25: 21.05,110.48 22,109.53 23.05,109.53
Net-(Q169-Pad2): length 6.4
  Top w0.25: 23.05,113.53 18,113.53 17.05,114.48
Net-(Q170-Pad2): length 14.4
  Top w0.25: 19.05,109.53 18,109.53 17.05,110.48 ; v1(18.9,108.33) 18.9,109.38 ; 23.1,101.68 18.95,101.68 v1(18.9,101.63)
  Bottom w0.25: v1(18.9,101.63) v1(18.9,108.33)
Net-(Q172-Pad2): length 10.4
  Top w0.25: v1(16.35,113.53) 14,113.53 13.05,114.48 ; 19.05,117.53 v1(16.35,117.53)
  Bottom w0.25: v1(16.35,117.53) v1(16.35,113.53)
Net-(Q174-Pad2): length 32.1
  Top w0.25: 11.05,113.53 v1(12.97,111.6) 13.05,111.53 13.05,110.48 14,109.53 15.05,109.53 ; R76.2 23.01,127.39 ; v1(19.72,127.43) 21.01,127.43 ; v1(13,122.43) v1(19.72,122.43)
  Bottom w0.25: v1(13,122.43) 12.97,122.4 v1(12.97,111.6) ; v1(19.72,122.43) v1(19.72,127.43)
Net-(Q176-Pad2): length 12.9
  Top w0.25: 19.05,126.48 16.55,126.48 15.95,127.08 14.29,127.08 13.58,126.38 Q180.3 ; 19.12,126.4 22.17,126.4 23.05,125.53
Net-(Q178-Pad2): length 2.4
  Top w0.25: 9.05,110.48 10,109.53 11.05,109.53
Net-(Q179-Pad2): length 2.4
  Top w0.25: 17.05,125.53 16,125.53 15.05,126.48
Net-(Q189-Pad2): length 2.4
  Top w0.25: 90.5,121.58 89.45,121.58 88.5,122.53
Net-(Q195-Pad2): length 52.3
  Top w0.25: v1(81.68,114.18) 88.25,114.18 v1(88.4,114.33) ; v1(81.68,126.53) 81.6,126.45 62.76,126.45 61.74,125.43 55.3,125.43 ; 88.55,110.23 89.5,111.18 90.55,111.18 ; v1(88.4,111.13) 88.4,110.38
  Bottom w0.25: v1(88.4,114.33) v1(88.4,111.13) ; v1(81.68,126.53) v1(81.68,114.18)
Net-(Q199-Pad2): length 6.4
  Top w0.25: 49.3,118.38 53.3,118.38 54.25,117.43 55.3,117.43